# Altium PCB 发光公交卡2021-3_left.PcbDoc
Units mil, origin at the board's own origin, x right, y up, seen from the top; angles counter-clockwise.
Board outline 3356.49 x 4419.48 mil, 2 copper layers (Top Layer, Bottom Layer); 9 components, 0 nets, 331 pads, 4 vias.
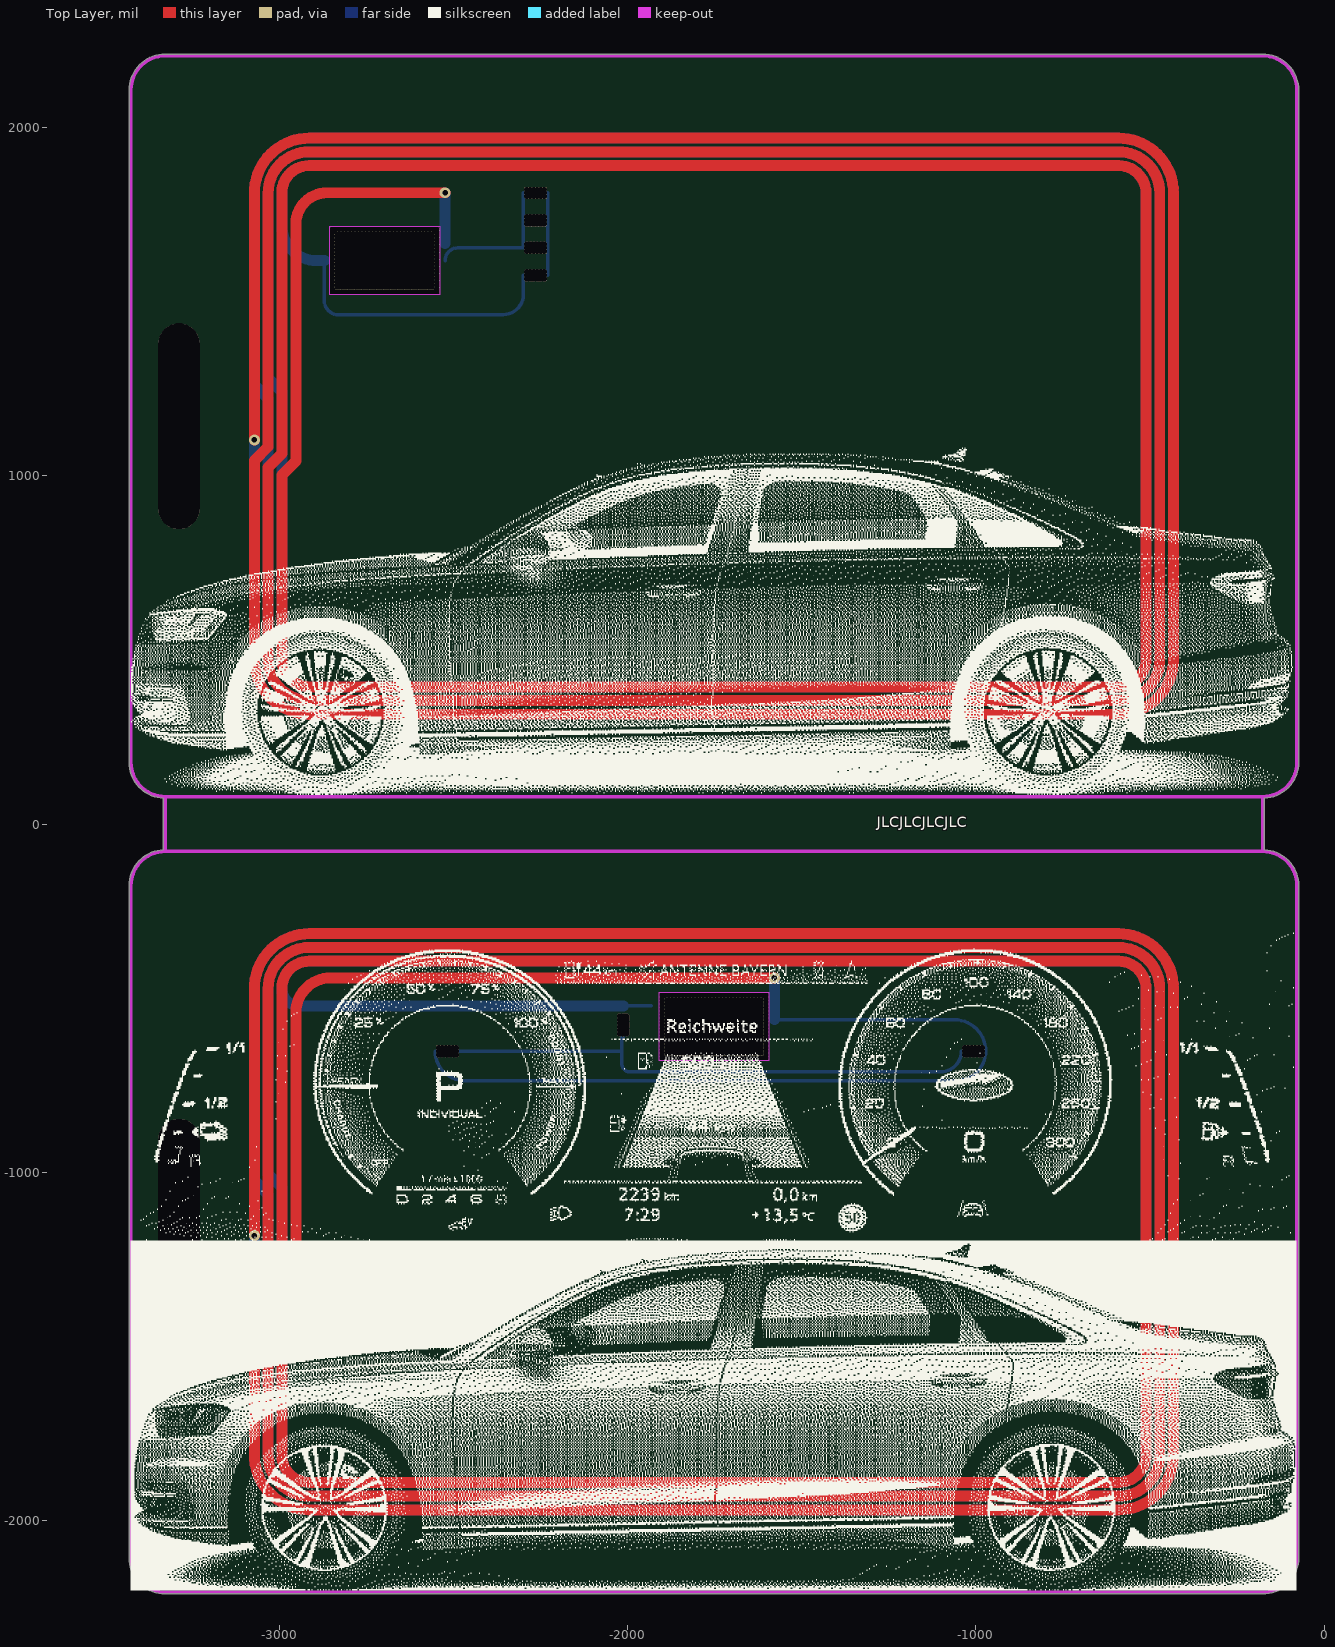
[diagram p0: Top Layer view]
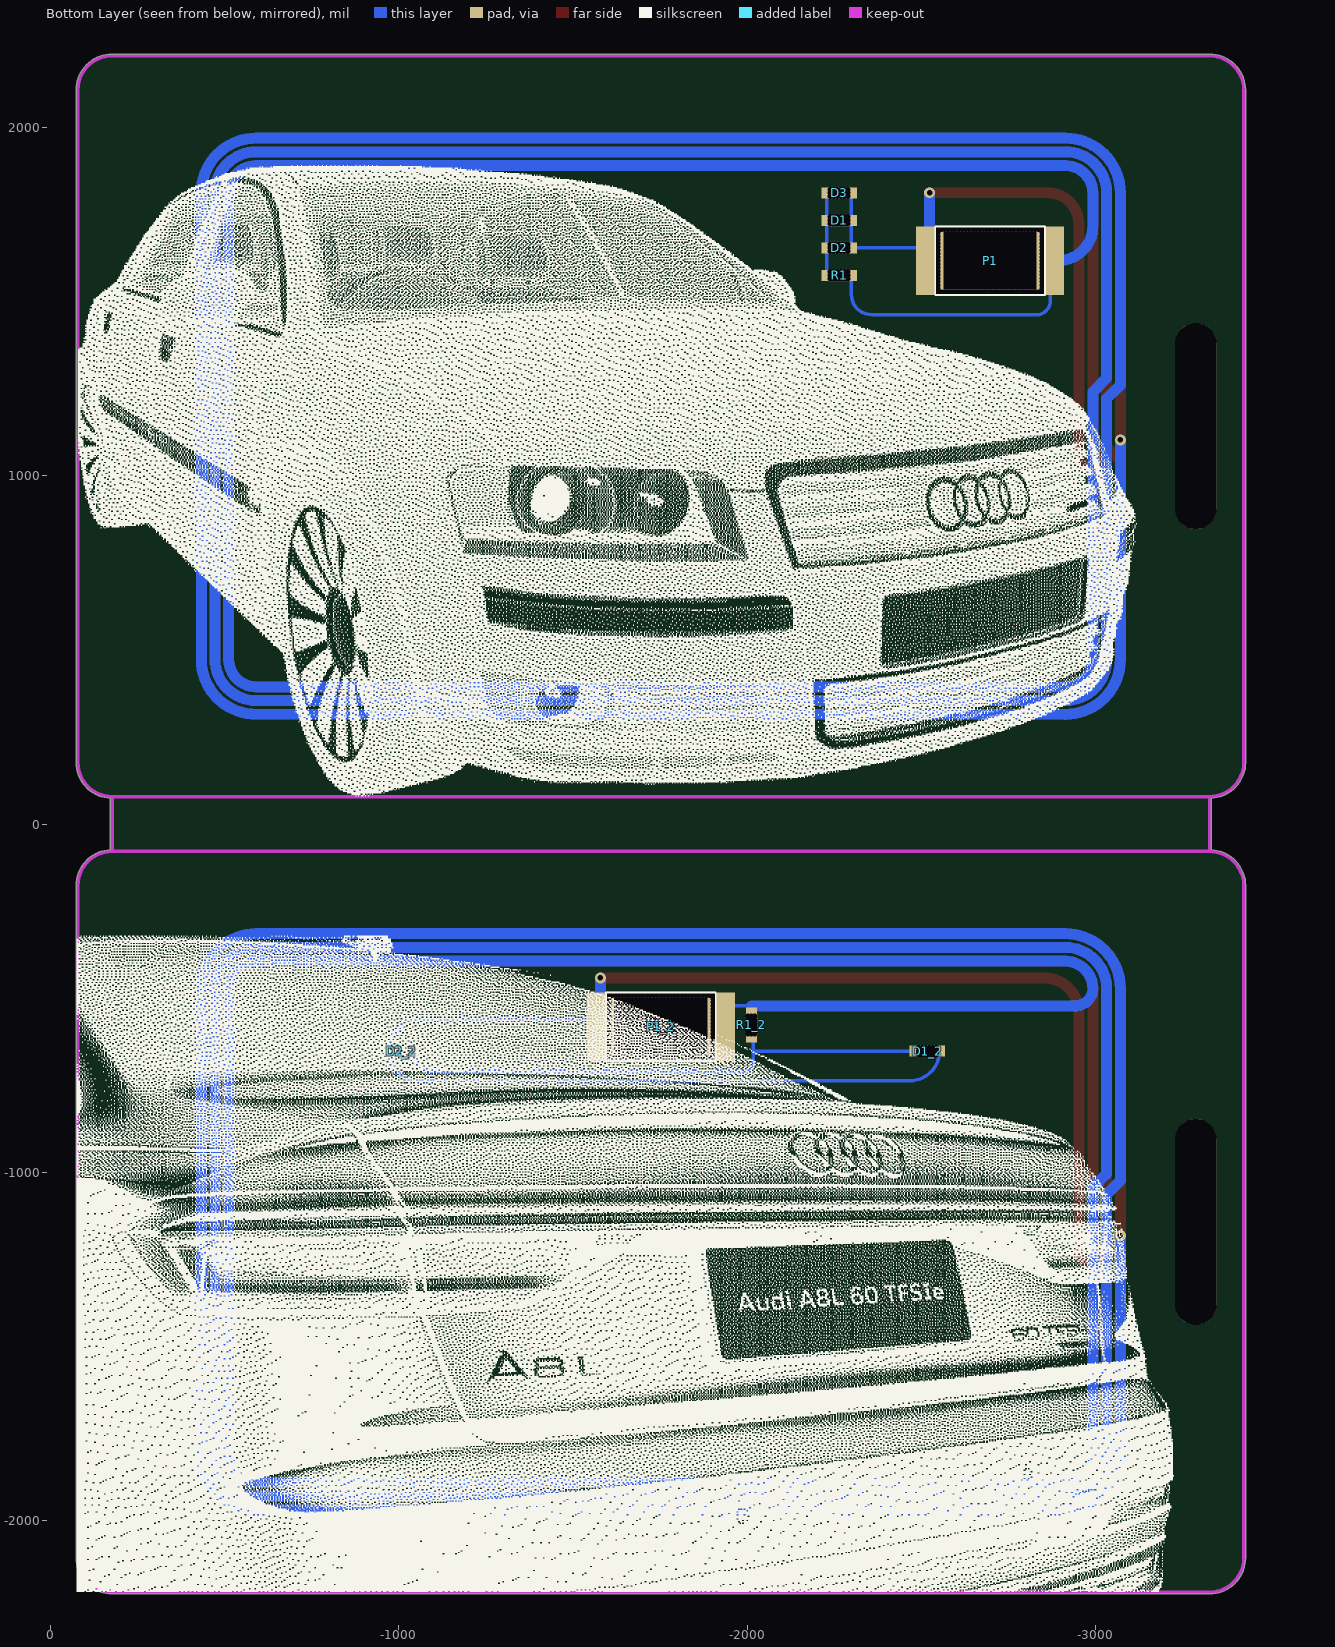
[diagram p1: Bottom Layer view, seen from below]

## Layer stack, top to bottom
Top Solder: solder mask 0.4, Solder Resist, Dk 3.5
Top Layer: signal copper 1.4
Dielectric 1: dielectric 12.6, FR-4, Dk 4.8
Bottom Layer: signal copper 1.4
Bottom Solder: solder mask 0.4, Solder Resist, Dk 3.5

## Board outline
-3430.21,-2106.85 cw(c-3425.2,-2106.73) -3430.21,-2106.73 -3430.21,-176.73 cw(c-3425.2,-176.73) -3430.21,-176.61 cw(c-3326.77,-177.17) -3331.98,-73.86 -3331.98,73.86 cw(c-3326.77,177.17) -3430.21,176.61 cw(c-3326.77,177.17) -3430.21,176.71 -3430.21,176.73 -3430.21,2106.73 cw(c-3425.2,2106.73) -3430.21,2106.85 cw(c-3326.77,2106.3) -3327.32,2209.74 cw(c-3326.77,2106.3) -3326.98,2209.74 -3327.2,2209.74 -176.97,2209.74 cw(c-176.97,2204.72) -176.93,2209.74 cw(c-177.17,2106.3) -73.73,2106.75 cw(c-78.74,2106.73) -73.73,2106.73 cw(c-78.74,2106.73) -73.73,2106.64 cw(c-78.74,2106.5) -73.73,2106.5 -73.73,176.97 cw(c-78.74,176.97) -73.73,176.83 cw(c-78.74,176.73) -73.73,176.73 cw(c-78.74,176.73) -73.73,176.71 cw(c-177.17,177.17) -171.95,73.86 -171.95,-73.86 cw(c-177.17,-177.17) -73.73,-176.71 cw(c-78.74,-176.73) -73.73,-176.73 cw(c-78.74,-176.73) -73.73,-176.83 cw(c-78.74,-176.97) -73.73,-176.97 -73.73,-2106.5 cw(c-78.74,-2106.5) -73.73,-2106.64 cw(c-78.74,-2106.73) -73.73,-2106.73 cw(c-78.74,-2106.73) -73.73,-2106.75 cw(c-177.17,-2106.3) -176.93,-2209.74 cw(c-177.17,-2106.3) -176.96,-2209.74 cw(c-176.97,-2204.72) -176.97,-2209.74 ccw(c-176.97,-2204.72) -176.93,-2209.74 -176.97,-2209.74 -3327.2,-2209.74 cw(c-3327.2,-2204.72) -3327.32,-2209.74 cw(c-3326.77,-2106.3)
cut-out: -2854.45,1518.31 -2854.45,1715.16 -2539.49,1715.16 -2539.49,1518.31
cut-out: -1909.45,-680.16 -1909.45,-483.31 -1594.49,-483.31 -1594.49,-680.16

## Design rules (kind name [scope] priority, off if disabled: settings)
Clearance [All] p1: gap=10
PolygonConnect [All] p1: connectstyle=Relief reliefconductorwidth=10 reliefentries=4 polygonreliefangle="90 Angle" airgapwidth=10
RoutingVias [All] p1: holewidth=28 width=50 viastyle="Through Hole" minholewidth=28 minwidth=50 maxholewidth=28 maxwidth=50
SolderMaskExpansion [All] p1: expansion=4
Width [All] p1: maxlimit=10 minlimit=10 preferedwidth=10
30 further rules are at their usual default settings.

## Components (designator, comment, footprint, x,y, rotation, side; value= is the part's Value field where it differs from the comment)
D1 "LED2" LED_0603_EMBED -2263.78,1732.28 r0 bottom
D1_2 "LED2" LED_0603_EMBED -2516.97,-651.73 r0 bottom (schematic designator D1)
D2 "LED2" LED_0603_EMBED -2263.78,1653.54 r0 bottom
D2_2 "LED2" LED_0603_EMBED -1006.97,-651.73 r0 bottom (schematic designator D2)
D3 "LED2" LED_0603_embed -2263.78,1811.02 r180 bottom
P1 "Header 2" NFC_8*5 -2696.97,1616.73 r0 bottom
P1_2 "Header 2" NFC_8*5 -1751.97,-581.73 r0 bottom (schematic designator P1)
R1 "Res1" LED_0603_EMBED -2263.78,1574.8 r180 bottom
R1_2 "Res1" LED_0603_EMBED -2011.97,-576.73 r90 bottom (schematic designator R1)

## Footprints (in the part's own frame and the unit in brackets; to place one, negate y for a bottom-side part, rotate by r counter-clockwise, add the part's x,y. Pads: shape width x height; smd on the part's side, far side on the other; paste and mask are expansions set on the pad)
LED_0603_EMBED [mm]
  round 0.4 hole 0.4: 0(-0.635,-0.254) 0(-0.635,0) 0(-0.635,0.254) 0(-0.381,-0.254) 0(-0.381,0) 0(-0.381,0.254) 0(-0.127,-0.254) 0(-0.127,0.254) 0(0,0) 0(0.127,-0.254) 0(0.127,0.254) 0(0.254,0) 0(0.381,-0.254) 0(0.381,0.254) 0(0.635,-0.254) 0(0.635,0) 0(0.635,0.254)
  rect 0.8x0.8 smd: 1(-0.889,0) 2(0.889,0)
LED_0603_embed [mm]
  round 0.4 hole 0.4: 0(-0.635,-0.254) 0(-0.635,0) 0(-0.635,0.254) 0(-0.381,-0.254) 0(-0.381,0) 0(-0.381,0.254) 0(-0.127,-0.254) 0(-0.127,0.254) 0(0,0) 0(0.127,-0.254) 0(0.127,0.254) 0(0.254,0) 0(0.381,-0.254) 0(0.381,0.254) 0(0.635,-0.254) 0(0.635,0) 0(0.635,0.254)
  rect 0.8x0.8 smd: 1(-0.889,0) 2(0.889,0)
NFC_8*5 [mm]
  round 0.4 hole 0.4: 0(-3.81,-2.286) 0(-3.81,-2.032) 0(-3.81,-1.778) 0(-3.81,-1.524) 0(-3.81,-1.27) 0(-3.81,-1.016) 0(-3.81,-0.762) 0(-3.81,-0.508) 0(-3.81,-0.254) 0(-3.81,0) 0(-3.81,0.254) 0(-3.81,0.508) 0(-3.81,0.762) 0(-3.81,1.016) 0(-3.81,1.27) 0(-3.81,1.524) 0(-3.81,1.778) 0(-3.81,2.032) 0(-3.81,2.286) 0(-3.556,-2.286) 0(-3.556,2.286) 0(-3.302,-2.286) 0(-3.302,2.286) 0(-3.048,-2.286) 0(-3.048,2.286) 0(-2.794,-2.286) 0(-2.794,2.286) 0(-2.54,-2.286) 0(-2.54,2.286) 0(-2.286,-2.286) 0(-2.286,2.286) 0(-2.032,-2.286) 0(-2.032,2.286) 0(-1.778,-2.286) 0(-1.778,2.286) 0(-1.524,-2.286) 0(-1.524,2.286) 0(-1.27,-2.286) 0(-1.27,2.286) 0(-1.016,-2.286) 0(-1.016,2.286) 0(-0.762,-2.286) 0(-0.762,2.286) 0(-0.508,-2.286) 0(-0.508,2.286) 0(-0.254,-2.286) 0(-0.254,2.286) 0(0,-2.286) 0(0,2.286) 0(0.254,-2.286) 0(0.254,2.286) 0(0.508,-2.286) 0(0.508,2.286) 0(0.762,-2.286) 0(0.762,2.286) 0(1.016,-2.286) 0(1.016,2.286) 0(1.27,-2.286) 0(1.27,2.286) 0(1.524,-2.286) 0(1.524,2.286) 0(1.778,-2.286) 0(1.778,2.286) 0(2.032,-2.286) 0(2.032,2.286) 0(2.286,-2.286) 0(2.286,2.286) 0(2.54,-2.286) 0(2.54,2.286) 0(2.794,-2.286) 0(2.794,2.286) 0(3.048,-2.286) 0(3.048,2.286) 0(3.302,-2.286) 0(3.302,2.286) 0(3.556,-2.286) 0(3.556,2.286) 0(3.81,-2.286) 0(3.81,-2.032) 0(3.81,-1.778) 0(3.81,-1.524) 0(3.81,-1.27) 0(3.81,-1.016) 0(3.81,-0.762) 0(3.81,-0.508) 0(3.81,-0.254) 0(3.81,0) 0(3.81,0.254) 0(3.81,0.508) 0(3.81,0.762) 0(3.81,1.016) 0(3.81,1.27) 0(3.81,1.524) 0(3.81,1.778) 0(3.81,2.032) 0(3.81,2.286)
  rect 2x5 smd: 1(-4.4,0) 2(4.4,0)
  silkscreen extent -4,-2.5 4,2.5

## Part data
D1 D2 D3: "Typical RED, GREEN, YELLOW, AMBER"
D1_2 D2_2: "Typical RED, GREEN, YELLOW, AMBER GaAs LED"
P1: "Head"
P1_2: "Header, 2-Pin"
R1_2: "Resistor"

## Free pads (board coordinates)
  oval 118.11x590.55 hole 118.11 slot 590.55 at 90 deg: 0(-3287.4,-1141.73) 0(-3287.4,1141.73)

## Via types
v1: diameter 31.5, hole 15.75, Top Layer to Bottom Layer, 4 vias

## Nets (pads, with @x,y where several pads share a name; then routed paths per layer and width w, separated by ;. In a path a pad name is that pad's centre, name@x,y a point inside that pad or via, vN(x,y) a via of type N, cw(c..) or ccw(c..) an arc to the next point about the centre after c; other vN are vias at no path point)
pads on no net: D1.0 D1.1 D1.2 D1_2.0 D1_2.1 D1_2.2 D2.0 D2.1 D2.2 D2_2.0 D2_2.1 D2_2.2 D3.0 D3.1 D3.2 P1.0 P1.1 P1.2 P1_2.0 P1_2.1 P1_2.2 R1.0 R1.1 R1.2 R1_2.0 R1_2.1 R1_2.2
copper on no net: | length 105792.5
  Top Layer w31.5: v1(-3070.87,-1181.09) -3070.86,-472.43 cw(c-2913.39,-472.43) -2913.39,-314.95 -590.55,-314.95 cw(c-590.55,-472.43) -433.07,-472.43 -433.07,-1811.01 cw(c-590.55,-1811.01) -590.55,-1968.49 -2913.41,-1968.52 cw(c-2913.39,-1811.01) -3070.87,-1811.01 -3070.86,-1240.14 -3031.49,-1200.77 -3031.49,-472.43 cw(c-2913.39,-472.43) -2913.39,-354.32 -590.55,-354.32 cw(c-590.55,-472.43) -472.44,-472.43 -472.44,-1811.01 cw(c-590.55,-1811.01) -590.55,-1929.12 -2913.38,-1929.12 cw(c-2913.39,-1811.01) -3031.5,-1811.01 -3031.49,-1259.83 -2992.12,-1220.46 -2992.12,-472.43 ; v1(-3070.87,1102.38) -3070.86,1811.04 cw(c-2913.39,1811.04) -2913.39,1968.52 -590.55,1968.52 cw(c-590.55,1811.04) -433.07,1811.04 -433.07,472.46 cw(c-590.55,472.46) -590.55,314.98 -2913.41,314.94 ; -2992.13,-472.43 cw(c-2913.39,-472.43) -2913.39,-393.69 -590.55,-393.69 cw(c-590.55,-472.43) -511.81,-472.43 -511.81,-1811.01 cw(c-590.55,-1811.01) -590.55,-1889.75 -2913.38,-1889.75 cw(c-2913.39,-1811.01) -2992.13,-1811.01 -2992.14,-1281.9 -2951.97,-1241.73 -2951.97,-561.73 ; -2992.13,472.46 ccw(c-2913.39,472.46) -2913.39,393.72 -590.55,393.71 ccw(c-590.55,472.46) -511.81,472.46 -511.81,1811.04 ccw(c-590.55,1811.04) -590.55,1889.78 -2913.38,1889.78 ccw(c-2913.39,1811.04) -2992.13,1811.04 ; -2992.14,472.48 -2992.14,1001.57 -2951.97,1041.73 -2951.97,1721.73 cw(c-2861.97,1721.73) -2861.97,1811.73 v1(-2523.74,1811.73) ; -2992.12,1811.04 -2992.12,1063.01 -3031.49,1023.64 -3031.49,472.46 ccw(c-2913.39,472.46) -2913.39,354.35 -590.55,354.35 ccw(c-590.55,472.46) -472.44,472.46 -472.44,1811.04 ccw(c-590.55,1811.04) -590.55,1929.15 -2913.38,1929.15 ccw(c-2913.39,1811.04) -3031.5,1811.04 -3031.49,1082.69 -3070.86,1043.32 -3070.86,472.46 ccw(c-2913.39,472.46) -2913.39,314.98 ; -2951.97,-686.73 -2951.97,-541.73 cw(c-2851.97,-541.73) -2851.97,-441.73 v1(-1578.74,-441.73)
  Bottom Layer w10: -2870.2,1616.73 -2870.2,1501.73 ccw(c-2830.2,1501.73) -2830.2,1461.73 -2356.97,1461.73 ccw(c-2356.97,1519.92) -2298.78,1519.92 -2298.78,1574.8 ; -2551.97,-651.73 ccw(c-2466.97,-651.73) -2466.97,-736.73 -1056.97,-736.73 ccw(c-1056.97,-651.73) -971.97,-651.73 ccw(c-1061.97,-651.73) -1061.97,-561.73 -1091.97,-561.73 -1578.74,-561.73 ; -2523.74,1616.73 cw(c-2486.93,1616.73) -2486.93,1653.54 -2298.78,1653.54 -2298.78,1732.28 -2298.78,1811.02 ; -2481.97,-651.73 -2016.97,-651.73 ; -2228.78,1574.8 -2228.78,1653.54 -2228.78,1732.28 -2228.78,1811.02 ; -2011.97,-611.73 ccw(c-2011.97,-616.73) -2016.97,-616.73 -2016.97,-651.73 ; -2006.97,-516.73 ccw(c-2006.97,-521.73) -2011.97,-521.73 -1931.97,-521.73 ; -1041.97,-651.73 cw(c-1101.97,-651.73) -1101.97,-711.73 -1991.97,-711.73 cw(c-1991.97,-686.73) -2016.97,-686.73 -2016.97,-651.73
  Bottom Layer w31.5: v1(-3070.87,-1181.09) -3070.86,-1810.99 ccw(c-2913.39,-1810.99) -2913.39,-1968.47 ; v1(-3070.87,1102.38) -3070.86,472.47 ccw(c-2913.39,472.47) -2913.39,314.99 ; -2992.13,-1810.99 ccw(c-2913.39,-1810.99) -2913.39,-1889.73 -590.55,-1889.73 ccw(c-590.55,-1810.99) -511.81,-1810.99 -511.81,-472.41 ccw(c-590.55,-472.41) -590.55,-393.67 -2913.38,-393.67 ccw(c-2913.39,-472.41) -2992.13,-472.41 ccw(c-2942.79,-472.39) -2942.79,-521.73 -2011.97,-521.73 ; -2992.13,472.47 ccw(c-2913.39,472.47) -2913.39,393.73 -590.55,393.73 ccw(c-590.55,472.47) -511.81,472.47 -511.81,1811.06 ccw(c-590.55,1811.06) -590.55,1889.8 -2913.38,1889.8 ccw(c-2913.39,1811.05) -2992.13,1811.05 ; -2992.14,1811.08 -2992.14,1716.73 ccw(c-2892.14,1716.73) -2892.14,1616.73 -2870.2,1616.73 ; -2992.12,-1810.99 -2992.12,-1043.29 -3031.49,-1003.92 -3031.49,-472.41 cw(c-2913.39,-472.41) -2913.39,-354.3 -590.55,-354.3 cw(c-590.55,-472.41) -472.44,-472.41 -472.44,-1810.99 cw(c-590.55,-1810.99) -590.55,-1929.1 -2913.38,-1929.1 cw(c-2913.39,-1810.99) -3031.5,-1810.99 -3031.49,-1062.98 -3070.86,-1023.61 -3070.86,-472.41 cw(c-2913.39,-472.41) -2913.39,-314.93 -590.55,-314.93 cw(c-590.55,-472.41) -433.07,-472.41 -433.07,-1810.99 cw(c-590.55,-1810.99) -590.55,-1968.47 -2913.41,-1968.51 ; -2992.12,472.47 -2992.12,1240.17 -3031.49,1279.54 -3031.49,1811.06 cw(c-2913.39,1811.05) -2913.39,1929.16 -590.55,1929.17 cw(c-590.55,1811.06) -472.44,1811.06 -472.44,472.47 cw(c-590.55,472.47) -590.55,354.36 -2913.38,354.36 cw(c-2913.39,472.47) -3031.5,472.47 -3031.49,1220.49 -3070.86,1259.86 -3070.86,1811.06 cw(c-2913.39,1811.05) -2913.39,1968.53 -590.55,1968.54 cw(c-590.55,1811.06) -433.07,1811.06 -433.07,472.47 cw(c-590.55,472.47) -590.55,314.99 -2913.41,314.96 ; -2523.74,1666.73 v1(-2523.74,1811.73) ; -1578.74,-561.73 v1(-1578.74,-441.73)

## Keep-outs
Keep-Out Layer:
  lines w10: -3327.2,-2204.72 -176.97,-2204.72 ccw(c-177.17,-2106.3) -78.74,-2106.73 ; -3327.2,-78.74 -176.97,-78.74 ; -3327.2,78.74 -176.97,78.74 ; -3327.2,2204.72 -176.97,2204.72 cw(c-177.17,2106.3) -78.74,2106.73 ; -3326.97,-2204.72 cw(c-3326.77,-2106.3) -3425.2,-2106.73 -3425.2,-176.73 cw(c-3326.77,-177.17) -3326.97,-78.74 -3326.97,78.74 cw(c-3326.77,177.17) -3425.2,176.73 -3425.2,2106.73 cw(c-3326.77,2106.3) -3326.97,2204.72 ; -78.74,-2106.5 -78.74,-176.97 ; -78.74,-176.73 ccw(c-177.17,-177.17) -176.97,-78.74 ; -78.74,176.73 cw(c-177.17,177.17) -176.97,78.74 ; -78.74,176.97 -78.74,2106.5 ; -176.97,-78.74 -176.97,78.74
  text "V-cut" at -2920,40 h30
  text "V-cut" at -480,-65 h30

## Silkscreen, mask and mechanical layers (free items; w line width, h text height)
Top Overlay:
  drawing of 91040 lines, arcs and shapes, not listed
  text "JLCJLCJLCJLC" at -1285,-10 h30
Bottom Overlay:
  drawing of 85532 lines, arcs and shapes, not listed